# Altium PCB FX_PCB.PcbDoc (part 2 of 7)
Units mil, origin at the board's own origin, x right, y up, seen from the top; angles counter-clockwise.
Board outline 5533 x 3907 mil, 2 copper layers (Top Layer, Bottom Layer); 117 components, 100 nets, 439 pads, 176 vias.
Unrouted connection lines stored in the file: 106.
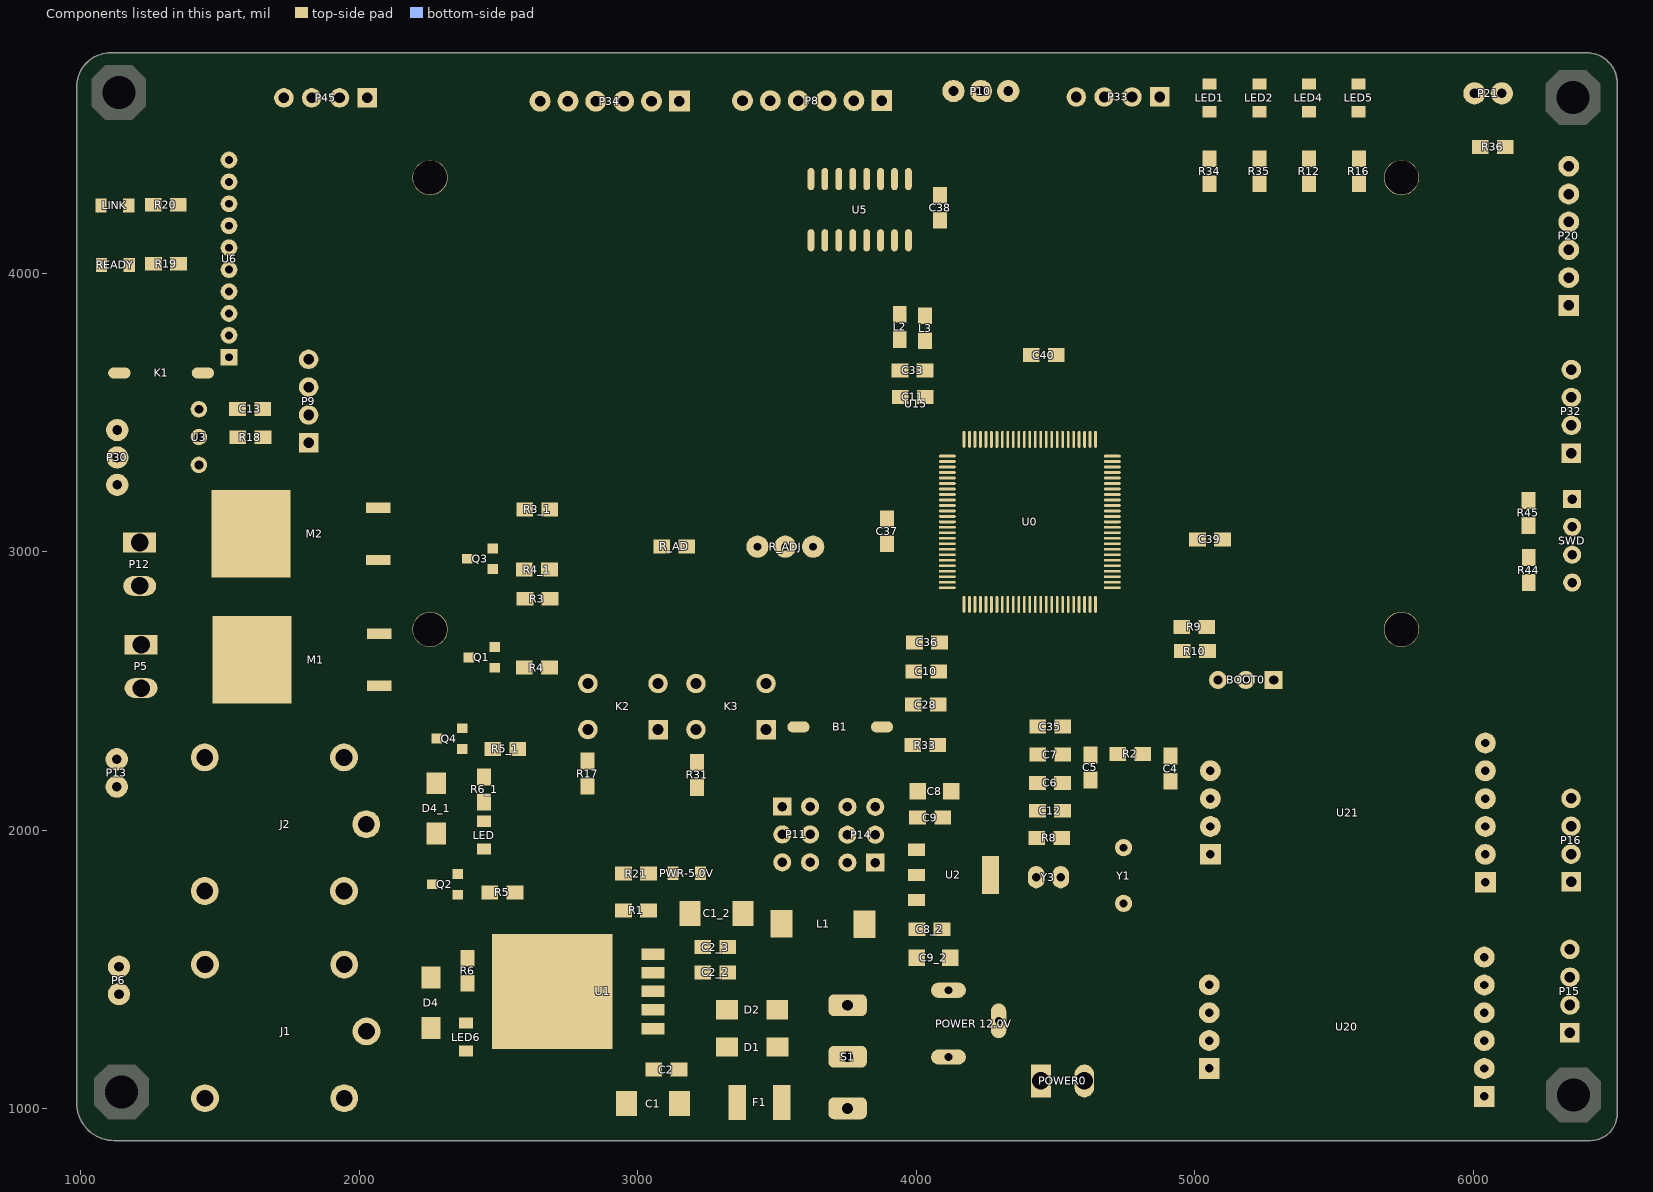
[diagram p2: the components of this part, seen from the top]

## Via types
v1: diameter 30, hole 15, Top Layer to Bottom Layer, 104 vias
v2: diameter 40, hole 18, Top Layer to Bottom Layer, 62 vias
v3: diameter 50, hole 28, Top Layer to Bottom Layer, 7 vias
v4: diameter 50, hole 23, Top Layer to Bottom Layer, 3 vias

## Nets (pads, with @x,y where several pads share a name; then routed paths per layer and width w, separated by ;. In a path a pad name is that pad's centre, name@x,y a point inside that pad or via, vN(x,y) a via of type N, cw(c..) or ccw(c..) an arc to the next point about the centre after c; other vN are vias at no path point) (continued)
copper on no net: (continued)
  Top Layer w0.85: 2755.65,3507 2947.75,3507 ; 2756.5,3507.85 2946.9,3507.85 ; 2757.35,3508.7 2946.05,3508.7 ; 2757.35,3509.55 2946.05,3509.55 ; 2758.2,3510.4 2762.45,3510.4 ; 2758.2,3511.25 2762.45,3511.25 ; 2759.05,3512.1 2763.3,3512.1 ; 2759.9,3512.95 2764.15,3512.95 ; 2759.9,3513.8 2764.15,3513.8 ; 2759.9,3793.45 2891.65,3793.45 ; 2759.9,3794.3 2892.5,3794.3 ; 2760.75,3514.65 2765,3514.65 ; 2760.75,3515.5 2765,3515.5 ; 2760.75,3791.75 2890.8,3791.75 ; 2760.75,3792.6 2885.7,3792.6 ; 2761.6,3516.35 2765.85,3516.35 ; 2761.6,3790.9 2765.85,3790.9 ; 2762.45,3517.2 2766.7,3517.2 ; 2762.45,3518.05 2766.7,3518.05 ; 2762.45,3789.2 2766.7,3789.2 ; 2762.45,3790.05 2765.85,3790.05 ; 2763.3,3518.9 2767.55,3518.9 ; 2763.3,3788.35 2766.7,3788.35 ; 2764.15,3519.75 2767.55,3519.75 ; 2764.15,3520.6 2768.4,3520.6 ; 2764.15,3786.65 2768.4,3786.65 ; 2764.15,3787.5 2767.55,3787.5 ; 2765,3521.45 2769.25,3521.45 ; 2765,3522.3 2769.25,3522.3 ; 2765,3784.95 2769.25,3784.95 ; 2765,3785.8 2768.4,3785.8 ; 2765.85,3523.15 2770.1,3523.15 ; 2765.85,3783.25 2770.1,3783.25 ; 2765.85,3784.1 2770.1,3784.1 ; 2766.7,3524 2770.1,3524 ; 2766.7,3524.85 2770.95,3524.85 ; 2766.7,3782.4 2770.95,3782.4 ; 2767.55,3525.7 2771.8,3525.7 ; 2767.55,3526.55 2771.8,3526.55 ; 2767.55,3780.7 2771.8,3780.7 ; 2767.55,3781.55 2770.95,3781.55 ; 2768.4,3527.4 2772.65,3527.4 ; 2768.4,3779.85 2772.65,3779.85 ; 2769.25,3528.25 2773.5,3528.25 ; 2769.25,3529.1 2773.5,3529.1 ; 2769.25,3778.15 2773.5,3778.15 ; 2769.25,3779 2772.65,3779 ; 2770.1,3529.95 2774.35,3529.95 ; 2770.1,3530.8 2774.35,3530.8 ; 2770.1,3776.45 2774.35,3776.45 ; 2770.1,3777.3 2773.5,3777.3 ; 2770.95,3531.65 2775.2,3531.65 ; 2770.95,3775.6 2775.2,3775.6 ; 2771.8,3532.5 2776.05,3532.5 ; 2771.8,3533.35 2776.05,3533.35 ; 2771.8,3773.9 2776.05,3773.9 ; 2771.8,3774.75 2775.2,3774.75 ; 2772.65,3534.2 2776.9,3534.2 ; 2772.65,3772.2 2776.9,3772.2 ; 2772.65,3773.05 2776.9,3773.05 ; 2773.5,3535.05 2776.9,3535.05 ; 2773.5,3535.9 2777.75,3535.9 ; 2773.5,3771.35 2777.75,3771.35 ; 2774.35,3536.75 2778.6,3536.75 ; 2774.35,3769.65 2778.6,3769.65 ; 2774.35,3770.5 2777.75,3770.5 ; 2775.2,3537.6 2778.6,3537.6 ; 2775.2,3538.45 2779.45,3538.45 ; 2775.2,3768.8 2779.45,3768.8 ; 2776.05,3539.3 2780.3,3539.3 ; 2776.05,3540.15 2780.3,3540.15 ; 2776.05,3767.1 2780.3,3767.1 ; 2776.05,3767.95 2779.45,3767.95 ; 2776.9,3541 2781.15,3541 ; 2776.9,3765.4 2781.15,3765.4 ; 2776.9,3766.25 2780.3,3766.25 ; 2777.75,3541.85 2781.15,3541.85 ; 2777.75,3542.7 2782,3542.7 ; 2777.75,3764.55 2782,3764.55 ; 2778.6,3543.55 2782.85,3543.55 ; 2778.6,3544.4 2782.85,3544.4 ; 2778.6,3762.85 2782.85,3762.85 ; 2778.6,3763.7 2782,3763.7 ; 2779.45,3545.25 2783.7,3545.25 ; 2779.45,3762 2782.85,3762 ; 2780.3,3546.1 2784.55,3546.1 ; 2780.3,3546.95 2784.55,3546.95 ; 2780.3,3760.3 2784.55,3760.3 ; 2780.3,3761.15 2783.7,3761.15 ; 2781.15,3547.8 2785.4,3547.8 ; 2781.15,3548.65 2785.4,3548.65 ; 2781.15,3758.6 2785.4,3758.6 ; 2781.15,3759.45 2784.55,3759.45 ; 2782,3549.5 2786.25,3549.5 ; 2782,3757.75 2786.25,3757.75 ; 2782.85,3550.35 2787.1,3550.35 ; 2782.85,3551.2 2787.1,3551.2 ; 2782.85,3756.05 2787.1,3756.05 ; 2782.85,3756.9 2786.25,3756.9 ; 2783.7,3552.05 2787.95,3552.05 ; 2783.7,3552.9 2787.95,3552.9 ; 2783.7,3754.35 2787.95,3754.35 ; 2783.7,3755.2 2787.1,3755.2 ; 2784.55,3553.75 2788.8,3553.75 ; 2784.55,3753.5 2788.8,3753.5 ; 2785.4,3554.6 2789.65,3554.6 ; 2785.4,3555.45 2789.65,3555.45 ; 2785.4,3751.8 2789.65,3751.8 ; 2785.4,3752.65 2788.8,3752.65 ; 2786.25,3556.3 2790.5,3556.3 ; 2786.25,3750.1 2790.5,3750.1 ; 2786.25,3750.95 2790.5,3750.95 ; 2787.1,3521.45 2926.5,3521.45 ; 2787.1,3522.3 2927.35,3522.3 ; 2787.1,3557.15 2790.5,3557.15 ; 2787.1,3558 2791.35,3558 ; 2787.1,3749.25 2791.35,3749.25 ; 2787.95,3523.15 2937.55,3523.15 ; 2787.95,3524 2936.7,3524 ; 2787.95,3558.85 2792.2,3558.85 ; 2787.95,3559.7 2792.2,3559.7 ; 2787.95,3747.55 2792.2,3747.55 ; 2787.95,3748.4 2791.35,3748.4 ; 2788.8,3524.85 2793.05,3524.85 ; 2788.8,3525.7 2793.05,3525.7 ; 2788.8,3560.55 2793.05,3560.55 ; 2788.8,3745.85 2793.05,3745.85 ; 2788.8,3746.7 2793.05,3746.7 ; 2789.65,3526.55 2793.9,3526.55 ; 2789.65,3561.4 2793.9,3561.4 ; 2789.65,3562.25 2793.9,3562.25 ; 2789.65,3745 2793.9,3745 ; 2790.5,3527.4 2794.75,3527.4 ; 2790.5,3528.25 2794.75,3528.25 ; 2790.5,3563.1 2794.75,3563.1 ; 2790.5,3563.95 2794.75,3563.95 ; 2790.5,3743.3 2794.75,3743.3 ; 2790.5,3744.15 2793.9,3744.15 ; 2790.5,3779 2883.15,3779 ; 2790.5,3779.85 2884,3779.85 ; 2791.35,3529.1 2795.6,3529.1 ; 2791.35,3564.8 2795.6,3564.8 ; 2791.35,3742.45 2795.6,3742.45 ; 2791.35,3778.15 2883.15,3778.15 ; 2792.2,3529.95 2796.45,3529.95 ; 2792.2,3530.8 2796.45,3530.8 ; 2792.2,3565.65 2796.45,3565.65 ; 2792.2,3566.5 2796.45,3566.5 ; 2792.2,3740.75 2796.45,3740.75 ; 2792.2,3741.6 2795.6,3741.6 ; 2792.2,3776.45 2796.45,3776.45 ; 2792.2,3777.3 2882.3,3777.3 ; 2793.05,3531.65 2797.3,3531.65 ; 2793.05,3532.5 2797.3,3532.5 ; 2793.05,3567.35 2797.3,3567.35 ; 2793.05,3739.05 2797.3,3739.05 ; 2793.05,3739.9 2797.3,3739.9 ; 2793.05,3774.75 2797.3,3774.75 ; 2793.05,3775.6 2796.45,3775.6 ; 2793.9,3533.35 2798.15,3533.35 ; 2793.9,3568.2 2797.3,3568.2 ; 2793.9,3569.05 2798.15,3569.05 ; 2793.9,3738.2 2798.15,3738.2 ; 2793.9,3773.9 2798.15,3773.9 ; 2794.75,3534.2 2799,3534.2 ; 2794.75,3535.05 2799,3535.05 ; 2794.75,3569.9 2799,3569.9 ; 2794.75,3736.5 2799,3736.5 ; 2794.75,3737.35 2798.15,3737.35 ; 2794.75,3772.2 2799,3772.2 ; 2794.75,3773.05 2798.15,3773.05 ; 2795.6,3535.9 2799.85,3535.9 ; 2795.6,3570.75 2799,3570.75 ; 2795.6,3571.6 2799.85,3571.6 ; 2795.6,3734.8 2799.85,3734.8 ; 2795.6,3735.65 2799.85,3735.65 ; 2795.6,3770.5 2799.85,3770.5 ; 2795.6,3771.35 2799.85,3771.35 ; 2796.45,3536.75 2799.85,3536.75 ; 2796.45,3537.6 2800.7,3537.6 ; 2796.45,3572.45 2800.7,3572.45 ; 2796.45,3573.3 2800.7,3573.3 ; 2796.45,3733.95 2800.7,3733.95 ; 2796.45,3769.65 2800.7,3769.65 ; 2797.3,3538.45 2801.55,3538.45 ; 2797.3,3539.3 2801.55,3539.3 ; 2797.3,3574.15 2801.55,3574.15 ; 2797.3,3575 2801.55,3575 ; 2797.3,3732.25 2801.55,3732.25 ; 2797.3,3733.1 2800.7,3733.1 ; 2797.3,3767.95 2801.55,3767.95 ; 2797.3,3768.8 2800.7,3768.8 ; 2798.15,3540.15 2802.4,3540.15 ; 2798.15,3575.85 2802.4,3575.85 ; 2798.15,3731.4 2802.4,3731.4 ; 2798.15,3767.1 2802.4,3767.1 ; 2799,3541 2802.4,3541 ; 2799,3541.85 2803.25,3541.85 ; 2799,3576.7 2803.25,3576.7 ; 2799,3577.55 2803.25,3577.55 ; 2799,3729.7 2803.25,3729.7 ; 2799,3730.55 2802.4,3730.55 ; 2799,3765.4 2803.25,3765.4 ; 2799,3766.25 2802.4,3766.25 ; 2799.85,3542.7 2804.1,3542.7 ; 2799.85,3543.55 2804.1,3543.55 ; 2799.85,3578.4 2804.1,3578.4 ; 2799.85,3642.15 2805.8,3642.15 ; 2799.85,3643 2804.95,3643 ; 2799.85,3643.85 2804.1,3643.85 ; 2799.85,3728 2804.1,3728 ; 2799.85,3728.85 2803.25,3728.85 ; 2799.85,3763.7 2804.1,3763.7 ; 2799.85,3764.55 2803.25,3764.55 ; 2800.7,3544.4 2804.95,3544.4 ; 2800.7,3579.25 2804.1,3579.25 ; 2800.7,3580.1 2804.95,3580.1 ; 2800.7,3640.45 2806.65,3640.45 ; 2800.7,3641.3 2805.8,3641.3 ; 2800.7,3644.7 2804.95,3644.7 ; 2800.7,3645.55 2804.95,3645.55 ; 2800.7,3646.4 2805.8,3646.4 ; 2800.7,3727.15 2804.95,3727.15 ; 2800.7,3762.85 2804.95,3762.85 ; 2801.55,3545.25 2804.95,3545.25 ; 2801.55,3546.1 2805.8,3546.1 ; 2801.55,3580.95 2805.8,3580.95 ; 2801.55,3638.75 2807.5,3638.75 ; 2801.55,3639.6 2806.65,3639.6 ; 2801.55,3647.25 2805.8,3647.25 ; 2801.55,3648.1 2806.65,3648.1 ; 2801.55,3725.45 2805.8,3725.45 ; 2801.55,3726.3 2804.95,3726.3 ; 2801.55,3761.15 2805.8,3761.15 ; 2801.55,3762 2804.95,3762 ; 2802.4,3546.95 2806.65,3546.95 ; 2802.4,3581.8 2805.8,3581.8 ; 2802.4,3582.65 2806.65,3582.65 ; 2802.4,3637.9 2807.5,3637.9 ; 2802.4,3648.95 2806.65,3648.95 ; 2802.4,3649.8 2807.5,3649.8 ; 2802.4,3723.75 2806.65,3723.75 ; 2802.4,3724.6 2806.65,3724.6 ; 2802.4,3759.45 2806.65,3759.45 ; 2802.4,3760.3 2805.8,3760.3 ; 2803.25,3547.8 2806.65,3547.8 ; 2803.25,3548.65 2807.5,3548.65 ; 2803.25,3583.5 2806.65,3583.5 ; 2803.25,3584.35 2807.5,3584.35 ; 2803.25,3636.2 2809.2,3636.2 ; 2803.25,3637.05 2808.35,3637.05 ; 2803.25,3650.65 2808.35,3650.65 ; 2803.25,3651.5 2808.35,3651.5 ; 2803.25,3722.9 2807.5,3722.9 ; 2803.25,3758.6 2807.5,3758.6 ; 2804.1,3549.5 2808.35,3549.5 ; 2804.1,3550.35 2808.35,3550.35 ; 2804.1,3585.2 2808.35,3585.2 ; 2804.1,3634.5 2810.05,3634.5 ; 2804.1,3635.35 2809.2,3635.35 ; 2804.1,3652.35 2809.2,3652.35 ; 2804.1,3653.2 2809.2,3653.2 ; 2804.1,3721.2 2808.35,3721.2 ; 2804.1,3722.05 2807.5,3722.05 ; 2804.1,3756.9 2808.35,3756.9 ; 2804.1,3757.75 2807.5,3757.75 ; 2804.95,3551.2 2809.2,3551.2 ; 2804.95,3586.05 2808.35,3586.05 ; 2804.95,3586.9 2809.2,3586.9 ; 2804.95,3632.8 2810.9,3632.8 ; 2804.95,3633.65 2810.05,3633.65 ; 2804.95,3654.05 2810.05,3654.05 ; 2804.95,3720.35 2809.2,3720.35 ; 2804.95,3756.05 2808.35,3756.05 ; 2805.8,3552.05 2809.2,3552.05 ; 2805.8,3552.9 2810.05,3552.9 ; 2805.8,3587.75 2810.05,3587.75 ; 2805.8,3588.6 2810.05,3588.6 ; 2805.8,3631.95 2811.75,3631.95 ; 2805.8,3654.9 2810.05,3654.9 ; 2805.8,3655.75 2810.9,3655.75 ; 2805.8,3718.65 2810.05,3718.65 ; 2805.8,3719.5 2809.2,3719.5 ; 2805.8,3754.35 2810.05,3754.35 ; 2805.8,3755.2 2809.2,3755.2 ; 2806.65,3553.75 2810.9,3553.75 ; 2806.65,3554.6 2810.9,3554.6 ; 2806.65,3589.45 2810.9,3589.45 ; 2806.65,3630.25 2812.6,3630.25 ; 2806.65,3631.1 2811.75,3631.1 ; 2806.65,3656.6 2810.9,3656.6 ; 2806.65,3657.45 2811.75,3657.45 ; 2806.65,3716.95 2810.9,3716.95 ; 2806.65,3717.8 2810.05,3717.8 ; 2806.65,3752.65 2810.9,3752.65 ; 2806.65,3753.5 2810.05,3753.5 ; 2807.5,3555.45 2811.75,3555.45 ; 2807.5,3590.3 2810.9,3590.3 ; 2807.5,3591.15 2811.75,3591.15 ; 2807.5,3628.55 2813.45,3628.55 ; 2807.5,3629.4 2812.6,3629.4 ; 2807.5,3658.3 2811.75,3658.3 ; 2807.5,3659.15 2812.6,3659.15 ; 2807.5,3716.1 2811.75,3716.1 ; 2807.5,3751.8 2811.75,3751.8 ; 2808.35,3556.3 2812.6,3556.3 ; 2808.35,3557.15 2812.6,3557.15 ; 2808.35,3592 2812.6,3592 ; 2808.35,3592.85 2812.6,3592.85 ; 2808.35,3626.85 2813.45,3626.85 ; 2808.35,3627.7 2814.3,3627.7 ; 2808.35,3660 2812.6,3660 ; 2808.35,3660.85 2813.45,3660.85 ; 2808.35,3714.4 2812.6,3714.4 ; 2808.35,3715.25 2811.75,3715.25 ; 2808.35,3750.1 2812.6,3750.1 ; 2808.35,3750.95 2811.75,3750.95 ; 2809.2,3558 2813.45,3558 ; 2809.2,3593.7 2813.45,3593.7 ; 2809.2,3626 2814.3,3626 ; 2809.2,3661.7 2813.45,3661.7 ; 2809.2,3662.55 2814.3,3662.55 ; 2809.2,3713.55 2813.45,3713.55 ; 2809.2,3748.4 2813.45,3748.4 ; 2809.2,3749.25 2813.45,3749.25 ; 2810.05,3558.85 2813.45,3558.85 ; 2810.05,3559.7 2814.3,3559.7 ; 2810.05,3594.55 2814.3,3594.55 ; 2810.05,3595.4 2814.3,3595.4 ; 2810.05,3624.3 2816,3624.3 ; 2810.05,3625.15 2815.15,3625.15 ; 2810.05,3663.4 2814.3,3663.4 ; 2810.05,3664.25 2815.15,3664.25 ; 2810.05,3711.85 2814.3,3711.85 ; 2810.05,3712.7 2813.45,3712.7 ; 2810.05,3747.55 2814.3,3747.55 ; 2810.9,3560.55 2815.15,3560.55 ; 2810.9,3596.25 2815.15,3596.25 ; 2810.9,3597.1 2815.15,3597.1 ; 2810.9,3622.6 2816,3622.6 ; 2810.9,3623.45 2816,3623.45 ; 2810.9,3665.1 2816,3665.1 ; 2810.9,3665.95 2816,3665.95 ; 2810.9,3710.15 2815.15,3710.15 ; 2810.9,3711 2814.3,3711 ; 2810.9,3745.85 2815.15,3745.85 ; 2810.9,3746.7 2814.3,3746.7 ; 2811.75,3561.4 2815.15,3561.4 ; 2811.75,3562.25 2816,3562.25 ; 2811.75,3597.95 2816,3597.95 ; 2811.75,3620.9 2817.7,3620.9 ; 2811.75,3621.75 2816.85,3621.75 ; 2811.75,3666.8 2816.85,3666.8 ; 2811.75,3667.65 2816.85,3667.65 ; 2811.75,3709.3 2816,3709.3 ; 2811.75,3745 2816,3745 ; 2812.6,3563.1 2816.85,3563.1 ; 2812.6,3563.95 2816.85,3563.95 ; 2812.6,3598.8 2816,3598.8 ; 2812.6,3599.65 2816.85,3599.65 ; 2812.6,3619.2 2818.55,3619.2 ; 2812.6,3620.05 2817.7,3620.05 ; 2812.6,3668.5 2817.7,3668.5 ; 2812.6,3707.6 2816.85,3707.6 ; 2812.6,3708.45 2816,3708.45 ; 2812.6,3743.3 2816.85,3743.3 ; 2812.6,3744.15 2816,3744.15 ; 2813.45,3564.8 2817.7,3564.8 ; 2813.45,3600.5 2817.7,3600.5 ; 2813.45,3618.35 2819.4,3618.35 ; 2813.45,3669.35 2817.7,3669.35 ; 2813.45,3670.2 2818.55,3670.2 ; 2813.45,3705.9 2817.7,3705.9 ; 2813.45,3706.75 2816.85,3706.75 ; 2813.45,3741.6 2817.7,3741.6 ; 2813.45,3742.45 2816.85,3742.45 ; 2814.3,3565.65 2817.7,3565.65 ; 2814.3,3566.5 2818.55,3566.5 ; 2814.3,3601.35 2817.7,3601.35 ; 2814.3,3602.2 2818.55,3602.2 ; 2814.3,3616.65 2820.25,3616.65 ; 2814.3,3617.5 2819.4,3617.5 ; 2814.3,3671.05 2818.55,3671.05 ; 2814.3,3671.9 2819.4,3671.9 ; 2814.3,3705.05 2818.55,3705.05 ; 2814.3,3740.75 2818.55,3740.75 ; 2815.15,3567.35 2819.4,3567.35 ; 2815.15,3568.2 2819.4,3568.2 ; 2815.15,3603.05 2819.4,3603.05 ; 2815.15,3603.9 2819.4,3603.9 ; 2815.15,3614.95 2821.1,3614.95 ; 2815.15,3615.8 2820.25,3615.8 ; 2815.15,3672.75 2819.4,3672.75 ; 2815.15,3673.6 2820.25,3673.6 ; 2815.15,3703.35 2819.4,3703.35 ; 2815.15,3704.2 2818.55,3704.2 ; 2815.15,3739.05 2819.4,3739.05 ; 2815.15,3739.9 2818.55,3739.9 ; 2816,3569.05 2820.25,3569.05 ; 2816,3604.75 2820.25,3604.75 ; 2816,3613.25 2821.95,3613.25 ; 2816,3614.1 2821.1,3614.1 ; 2816,3674.45 2820.25,3674.45 ; 2816,3675.3 2821.1,3675.3 ; 2816,3702.5 2820.25,3702.5 ; 2816,3737.35 2820.25,3737.35 ; 2816,3738.2 2819.4,3738.2 ; 2816.85,3569.9 2820.25,3569.9 ; 2816.85,3570.75 2821.1,3570.75 ; 2816.85,3605.6 2826.2,3605.6 ; 2816.85,3606.45 2826.2,3606.45 ; 2816.85,3612.4 2822.8,3612.4 ; 2816.85,3676.15 2821.95,3676.15 ; 2816.85,3677 2821.95,3677 ; 2816.85,3700.8 2821.1,3700.8 ; 2816.85,3701.65 2820.25,3701.65 ; 2816.85,3736.5 2821.1,3736.5 ; 2817.7,3571.6 2821.95,3571.6 ; 2817.7,3572.45 2821.95,3572.45 ; 2817.7,3607.3 2825.35,3607.3 ; 2817.7,3608.15 2825.35,3608.15 ; 2817.7,3610.7 2823.65,3610.7 ; 2817.7,3611.55 2822.8,3611.55 ; 2817.7,3677.85 2822.8,3677.85 ; 2817.7,3678.7 2822.8,3678.7 ; 2817.7,3699.1 2821.95,3699.1 ; 2817.7,3699.95 2821.1,3699.95 ; 2817.7,3734.8 2821.95,3734.8 ; 2817.7,3735.65 2821.1,3735.65 ; 2818.55,3573.3 2822.8,3573.3 ; 2818.55,3609 2824.5,3609 ; 2818.55,3609.85 2824.5,3609.85 ; 2818.55,3679.55 2823.65,3679.55 ; 2818.55,3680.4 2823.65,3680.4 ; 2818.55,3698.25 2822.8,3698.25 ; 2818.55,3733.1 2822.8,3733.1 ; 2818.55,3733.95 2822.8,3733.95 ; 2819.4,3574.15 2822.8,3574.15 ; 2819.4,3575 2823.65,3575 ; 2819.4,3681.25 2824.5,3681.25 ; 2819.4,3682.1 2825.35,3682.1 ; 2819.4,3696.55 2823.65,3696.55 ; 2819.4,3697.4 2822.8,3697.4 ; 2819.4,3732.25 2823.65,3732.25 ; 2820.25,3575.85 2824.5,3575.85 ; 2820.25,3682.95 2825.35,3682.95 ; 2820.25,3695.7 2824.5,3695.7 ; 2820.25,3730.55 2824.5,3730.55 ; 2820.25,3731.4 2823.65,3731.4 ; 2821.1,3576.7 2824.5,3576.7 ; 2821.1,3577.55 2825.35,3577.55 ; 2821.1,3604.75 2827.05,3604.75 ; 2821.1,3683.8 2826.2,3683.8 ; 2821.1,3684.65 2826.2,3684.65 ; 2821.1,3694 2825.35,3694 ; 2821.1,3694.85 2824.5,3694.85 ; 2821.1,3729.7 2825.35,3729.7 ; 2821.95,3578.4 2826.2,3578.4 ; 2821.95,3579.25 2826.2,3579.25 ; 2821.95,3603.05 2827.05,3603.05 ; 2821.95,3603.9 2827.05,3603.9 ; 2821.95,3685.5 2830.45,3685.5 ; 2821.95,3686.35 2829.6,3686.35 ; 2821.95,3692.3 2826.2,3692.3 ; 2821.95,3693.15 2825.35,3693.15 ; 2821.95,3728 2826.2,3728 ; 2821.95,3728.85 2825.35,3728.85 ; 2822.8,3580.1 2827.05,3580.1 ; 2822.8,3601.35 2828.75,3601.35 ; 2822.8,3602.2 2827.05,3602.2 ; 2822.8,3687.2 2829.6,3687.2 ; 2822.8,3688.05 2828.75,3688.05 ; 2822.8,3691.45 2827.05,3691.45 ; 2822.8,3727.15 2826.2,3727.15 ; 2823.65,3580.95 2827.05,3580.95 ; 2823.65,3581.8 2827.9,3581.8 ; 2823.65,3599.65 2829.6,3599.65 ; 2823.65,3600.5 2829.6,3600.5 ; 2823.65,3688.9 2827.9,3688.9 ; 2823.65,3689.75 2827.9,3689.75 ; 2823.65,3690.6 2827.05,3690.6 ; 2823.65,3725.45 2827.9,3725.45 ; 2823.65,3726.3 2827.05,3726.3 ; 2824.5,3582.65 2828.75,3582.65 ; 2824.5,3583.5 2828.75,3583.5 ; 2824.5,3598.8 2830.45,3598.8 ; 2824.5,3723.75 2828.75,3723.75 ; 2824.5,3724.6 2827.9,3724.6 ; 2825.35,3584.35 2829.6,3584.35 ; 2825.35,3597.1 2831.3,3597.1 ; 2825.35,3597.95 2831.3,3597.95 ; 2825.35,3643.85 2831.3,3643.85 ; 2825.35,3644.7 2831.3,3644.7 ; 2825.35,3645.55 2830.45,3645.55 ; 2825.35,3722.9 2828.75,3722.9 ; 2826.2,3585.2 2829.6,3585.2 ; 2826.2,3586.05 2830.45,3586.05 ; 2826.2,3595.4 2832.15,3595.4 ; 2826.2,3596.25 2832.15,3596.25 ; 2826.2,3643 2832.15,3643 ; 2826.2,3646.4 2831.3,3646.4 ; 2826.2,3721.2 2830.45,3721.2 ; 2826.2,3722.05 2829.6,3722.05 ; 2827.05,3586.9 2837.25,3586.9 ; 2827.05,3587.75 2836.4,3587.75 ; 2827.05,3593.7 2833.85,3593.7 ; 2827.05,3594.55 2832.15,3594.55 ; 2827.05,3647.25 2832.15,3647.25 ; 2827.05,3648.1 2832.15,3648.1 ; 2827.05,3683.8 2831.3,3683.8 ; 2827.05,3684.65 2831.3,3684.65 ; 2827.05,3719.5 2831.3,3719.5 ; 2827.05,3720.35 2830.45,3720.35 ; 2827.9,3588.6 2836.4,3588.6 ; 2827.9,3592 2834.7,3592 ; 2827.9,3592.85 2834.7,3592.85 ; 2827.9,3602.2 2828.75,3602.2 ; 2827.9,3641.3 2833,3641.3 ; 2827.9,3642.15 2832.15,3642.15 ; 2827.9,3648.95 2833,3648.95 ; 2827.9,3649.8 2833.85,3649.8 ; 2827.9,3682.95 2832.15,3682.95 ; 2827.9,3718.65 2832.15,3718.65 ; 2828.75,3589.45 2835.55,3589.45 ; 2828.75,3590.3 2835.55,3590.3 ; 2828.75,3591.15 2834.7,3591.15 ; 2828.75,3639.6 2833.85,3639.6 ; 2828.75,3640.45 2833.85,3640.45 ; 2828.75,3650.65 2833.85,3650.65 ; 2828.75,3681.25 2833,3681.25 ; 2828.75,3682.1 2832.15,3682.1 ; 2828.75,3716.95 2833,3716.95 ; 2828.75,3717.8 2832.15,3717.8 ; 2829.6,3637.9 2834.7,3637.9 ; 2829.6,3638.75 2834.7,3638.75 ; 2829.6,3651.5 2834.7,3651.5 ; 2829.6,3652.35 2835.55,3652.35 ; 2829.6,3679.55 2833.85,3679.55 ; 2829.6,3680.4 2833.85,3680.4 ; 2829.6,3716.1 2833.85,3716.1 ; 2830.45,3636.2 2835.55,3636.2 ; 2830.45,3637.05 2835.55,3637.05 ; 2830.45,3653.2 2836.4,3653.2 ; 2830.45,3678.7 2834.7,3678.7 ; 2830.45,3714.4 2834.7,3714.4 ; 2830.45,3715.25 2833.85,3715.25 ; 2831.3,3586.05 2837.25,3586.05 ; 2831.3,3634.5 2837.25,3634.5 ; 2831.3,3635.35 2836.4,3635.35 ; 2831.3,3654.05 2836.4,3654.05 ; 2831.3,3654.9 2837.25,3654.9 ; 2831.3,3655.75 2838.1,3655.75 ; 2831.3,3677 2835.55,3677 ; 2831.3,3677.85 2834.7,3677.85 ; 2831.3,3712.7 2835.55,3712.7 ; 2831.3,3713.55 2834.7,3713.55 ; 2832.15,3585.2 2838.1,3585.2 ; 2832.15,3633.65 2837.25,3633.65 ; 2832.15,3656.6 2838.1,3656.6 ; 2832.15,3676.15 2836.4,3676.15 ; 2832.15,3711 2836.4,3711 ; 2832.15,3711.85 2836.4,3711.85 ; 2833,3583.5 2838.95,3583.5 ; 2833,3584.35 2838.95,3584.35 ; 2833,3631.95 2838.1,3631.95 ; 2833,3632.8 2838.1,3632.8 ; 2833,3657.45 2838.95,3657.45 ; 2833,3658.3 2839.8,3658.3 ; 2833,3674.45 2837.25,3674.45 ; 2833,3675.3 2836.4,3675.3 ; 2833,3710.15 2837.25,3710.15 ; 2833.85,3581.8 2840.65,3581.8 ; 2833.85,3582.65 2839.8,3582.65 ; 2833.85,3630.25 2838.95,3630.25 ; 2833.85,3631.1 2838.95,3631.1 ; 2833.85,3659.15 2839.8,3659.15 ; 2833.85,3660 2840.65,3660 ; 2833.85,3673.6 2838.1,3673.6 ; 2833.85,3708.45 2842.35,3708.45 ; 2833.85,3709.3 2842.35,3709.3 ; 2834.7,3580.1 2841.5,3580.1 ; 2834.7,3580.95 2839.8,3580.95 ; 2834.7,3629.4 2844.9,3629.4 ; 2834.7,3660.85 2835.55,3660.85 ; 2834.7,3671.9 2838.95,3671.9 ; 2834.7,3672.75 2838.1,3672.75 ; 2834.7,3707.6 2841.5,3707.6 ; 2835.55,3578.4 2842.35,3578.4 ; 2835.55,3579.25 2841.5,3579.25 ; 2835.55,3627.7 2844.05,3627.7 ; 2835.55,3628.55 2844.05,3628.55 ; 2835.55,3661.7 2844.9,3661.7 ; 2835.55,3662.55 2844.05,3662.55 ; 2835.55,3670.2 2839.8,3670.2 ; 2835.55,3671.05 2838.95,3671.05 ; 2835.55,3705.9 2840.65,3705.9 ; 2835.55,3706.75 2840.65,3706.75 ; 2836.4,3577.55 2842.35,3577.55 ; 2836.4,3626 2843.2,3626 ; 2836.4,3626.85 2843.2,3626.85 ; 2836.4,3660.85 2845.75,3660.85 ; 2836.4,3663.4 2844.05,3663.4 ; 2836.4,3664.25 2838.1,3664.25 ; 2836.4,3668.5 2840.65,3668.5 ; 2836.4,3669.35 2840.65,3669.35 ; 2836.4,3704.2 2840.65,3704.2 ; 2836.4,3705.05 2840.65,3705.05 ; 2837.25,3575.85 2842.35,3575.85 ; 2837.25,3576.7 2843.2,3576.7 ; 2837.25,3623.45 2843.2,3623.45 ; 2837.25,3624.3 2842.35,3624.3 ; 2837.25,3625.15 2842.35,3625.15 ; 2837.25,3665.1 2843.2,3665.1 ; 2837.25,3665.95 2842.35,3665.95 ; 2837.25,3666.8 2841.5,3666.8 ; 2837.25,3667.65 2841.5,3667.65 ; 2837.25,3703.35 2841.5,3703.35 ; 2838.1,3574.15 2843.2,3574.15 ; 2838.1,3575 2842.35,3575 ; 2838.1,3622.6 2843.2,3622.6 ; 2838.1,3701.65 2842.35,3701.65 ; 2838.1,3702.5 2841.5,3702.5 ; 2838.1,3710.15 2843.2,3710.15 ; 2838.95,3572.45 2845.75,3572.45 ; 2838.95,3573.3 2844.9,3573.3 ; 2838.95,3621.75 2844.05,3621.75 ; 2838.95,3664.25 2843.2,3664.25 ; 2838.95,3699.95 2843.2,3699.95 ; 2838.95,3700.8 2843.2,3700.8 ; 2838.95,3711 2843.2,3711 ; 2838.95,3711.85 2844.05,3711.85 ; 2839.8,3571.6 2845.75,3571.6 ; 2839.8,3620.05 